# Altium PCB FIT_TDC_ADC.PcbDoc (part 9 of 10) (continued)
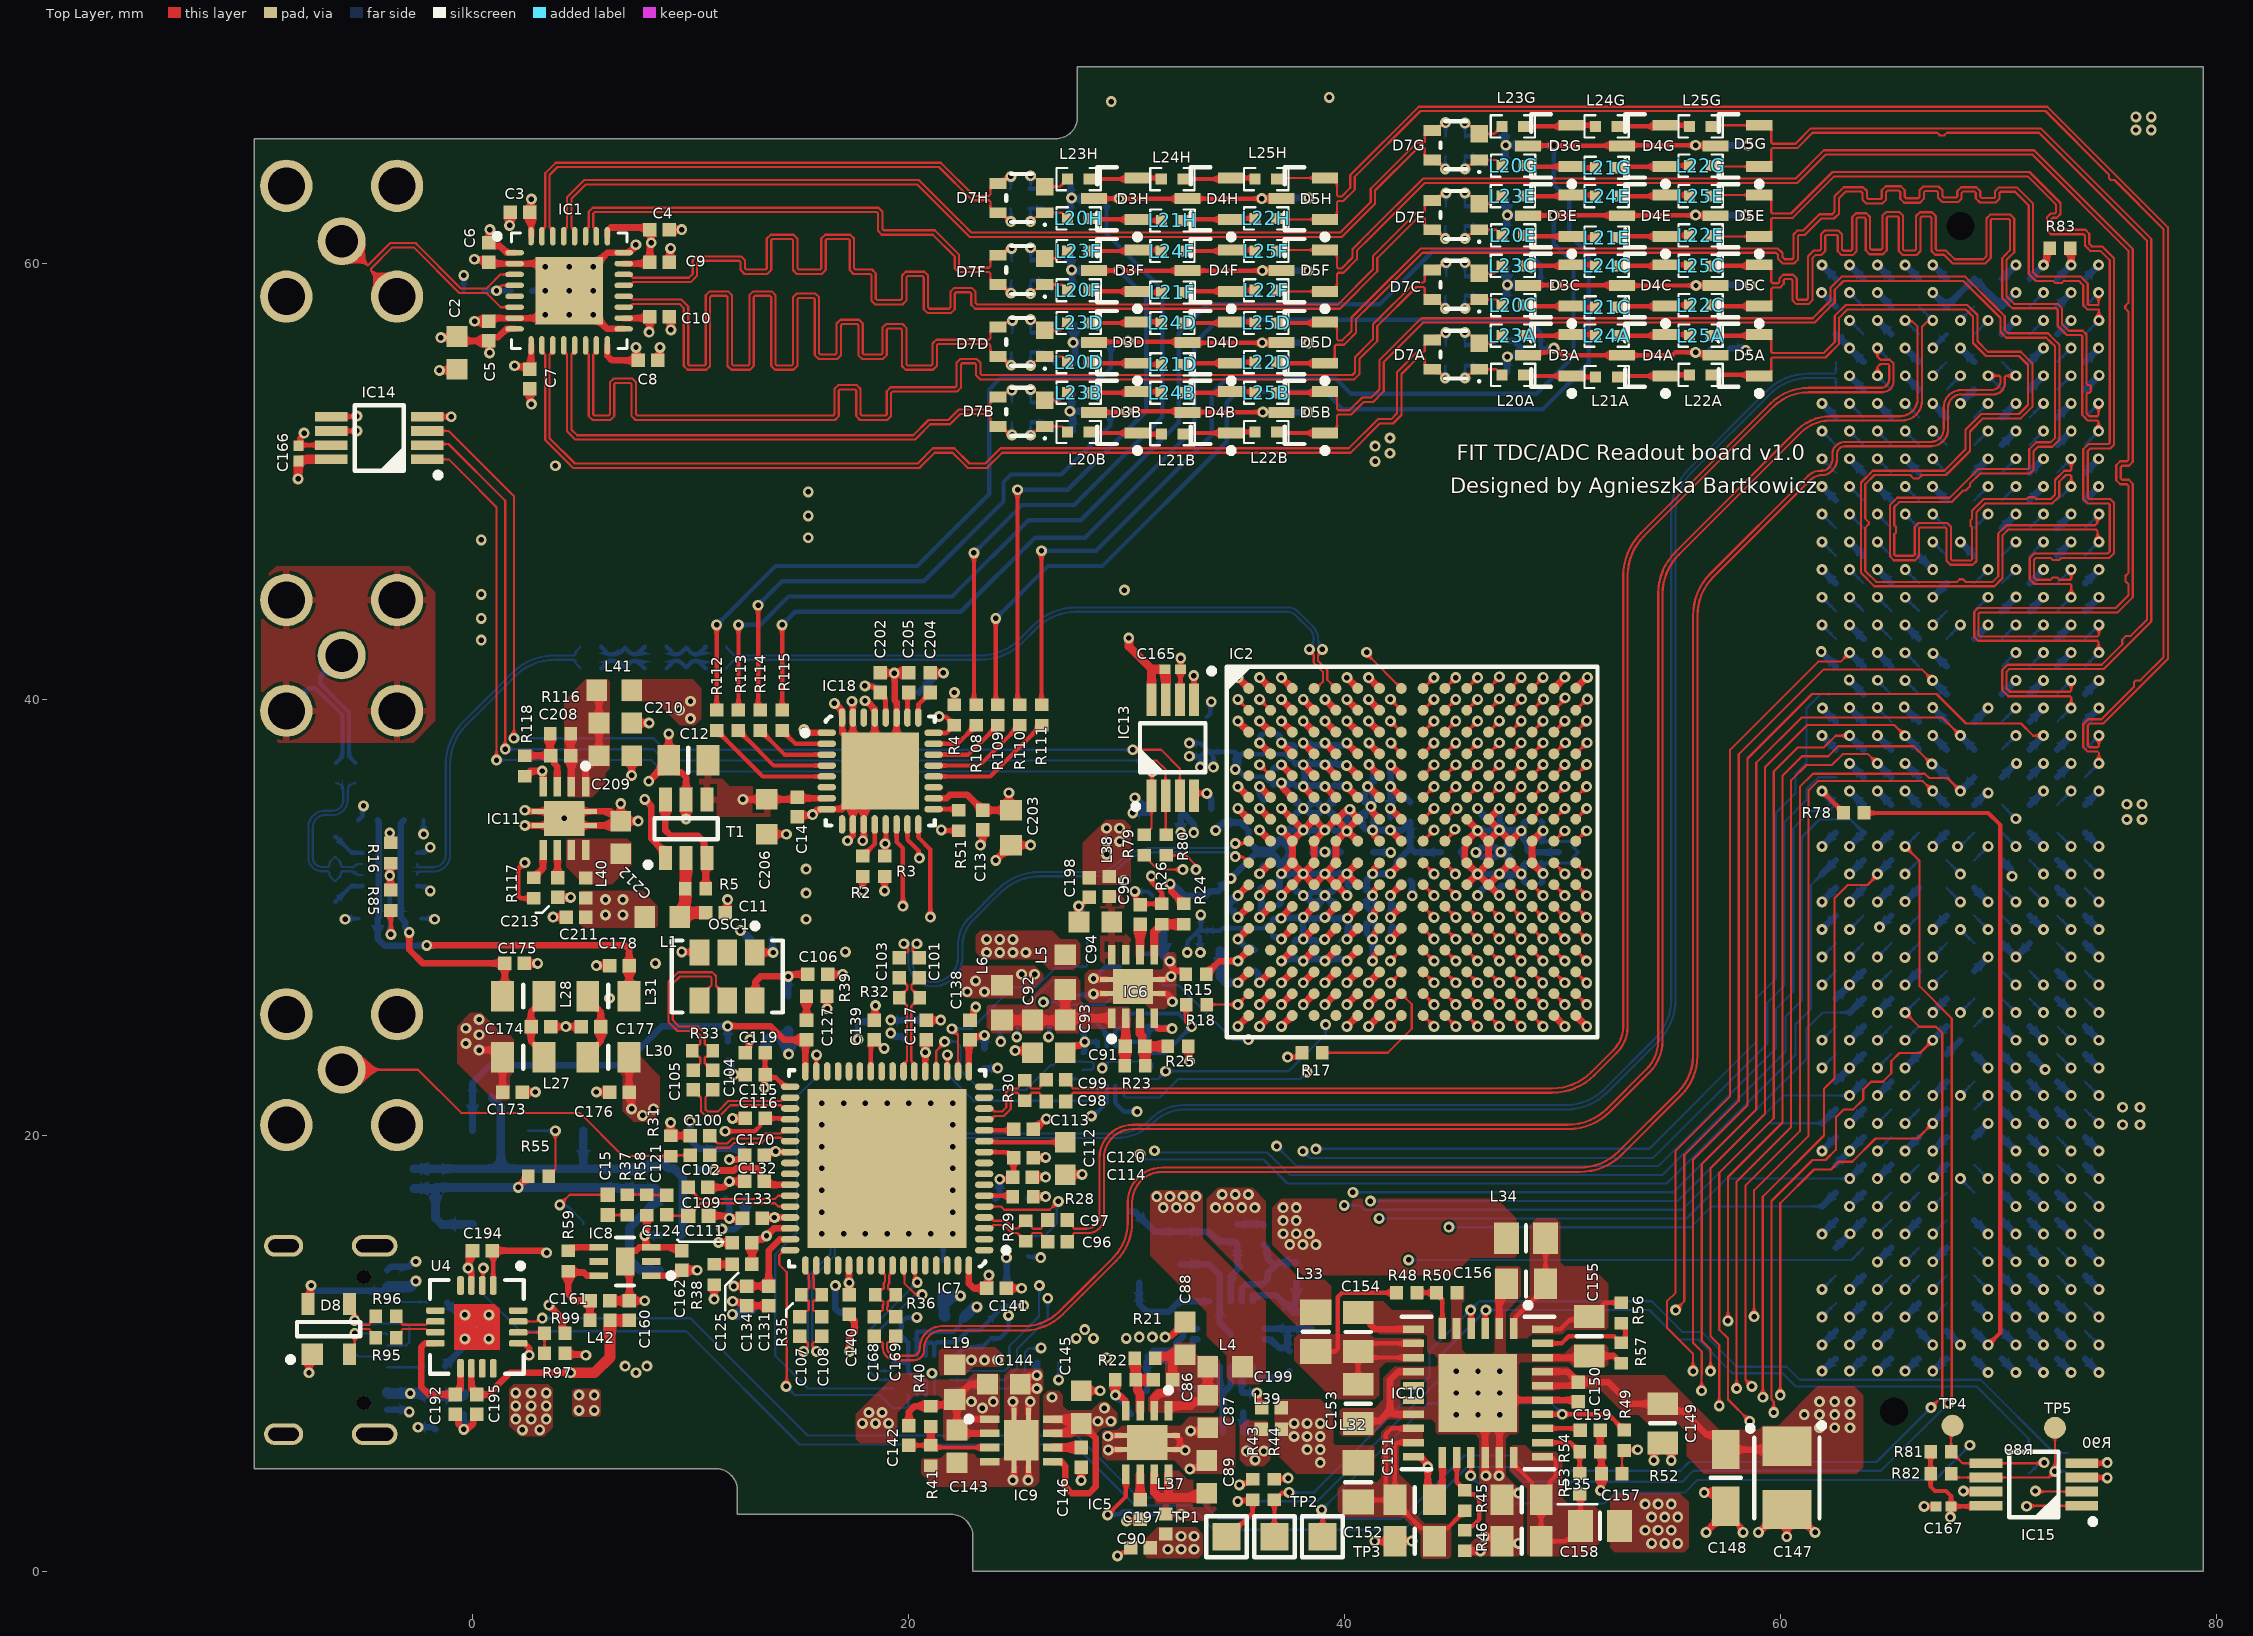
[diagram p0: Top Layer view]
## Nets (pads, with @x,y where several pads share a name; then routed paths per layer and width w, separated by ;. In a path a pad name is that pad's centre, name@x,y a point inside that pad or via, vN(x,y) a via of type N, cw(c..) or ccw(c..) an arc to the next point about the centre after c; other vN are vias at no path point) (continued)
  other v1: 23.585,28.374 24.185,28.374 24.785,28.374 25.385,28.374 23.585,28.974 24.185,28.974 24.785,28.974
VA_1V9: C45.2 C46.2 C47.2 C48.2 C49.2 C50.2 C51.2 C52.2 C53.2 C54.2 C55.2 C56.2 C57.2 C58.2 C59.2 C60.2 C61.2 C62.2 C63.2 C64.2 IC2.G3 IC2.G4 IC2.G5 IC2.G6 IC2.H3 IC2.H4 IC2.H5 IC2.H6 IC2.J3 IC2.J4 IC2.J5 IC2.J6 IC2.K3 IC2.K4 IC2.K5 IC2.K6 L4.2 R24.1 | length 45.8
  Top Layer w0.1: v1(38.101,31.985) v1@38.104,31.985 ; v1(39.099,31.985) v1@39.104,31.985
  Top Layer w0.3: v1(32.002,31.523) 32.04,31.485 32.04,31.189 32.46,30.769 32.46,30.749 32.6,30.609 R24.1@32.62,30.609 ; v1(37.104,30.985) IC2.K3@37.604,31.485 37.604,31.489 v1(38.101,31.985) ; v1(37.104,31.985) IC2.J3@37.604,32.485 ; v1(37.104,33.985) IC2.H3@37.604,33.485 ; v1(37.104,34.985) IC2.G3@37.604,34.485 v1(38.104,33.985) ; v1@38.104,31.985 IC2.J4@38.604,32.485 38.604,32.883 38.599,32.888 38.599,33.48 IC2.H4@38.604,33.485 39.099,33.98 v1(39.099,33.985) ; v1@39.104,31.985 IC2.J5@39.604,32.485 IC2.H5@39.604,33.485 39.624,33.485 40.104,33.965 v1@40.124,33.965 ; v1(40.104,30.985) IC2.K5@39.604,31.485 ; v1(40.104,33.944) 40.124,33.944 40.583,33.485 IC2.H6@40.604,33.485 ; v1@40.194,34.944 40.604,34.535 IC2.G6@40.604,34.485 40.104,33.985 IC2.G5@39.604,34.485 ; v1(40.243,34.944) 40.205,34.906 40.079,34.906 39.658,34.485 IC2.G5@39.604,34.485 ; IC2.K6@40.604,31.485 v1(40.104,31.985) ; IC2.J6@40.604,32.485 v1(40.104,31.985) ; IC2.J3@37.604,32.485 IC2.H3@37.604,33.485 ; IC2.J3@37.604,32.485 38.101,31.989 v1(38.101,31.985) ; IC2.H3@37.604,33.485 v1(38.104,33.985) ; v1(38.101,31.985) 38.601,31.485 IC2.K4@38.604,31.485 39.099,31.98 v1(39.099,31.985) 39.599,31.485 IC2.K5@39.604,31.485 ; v1(38.104,33.985) IC2.G4@38.604,34.485 39.099,33.99 v1(39.099,33.985) ; v1(39.099,33.985) 39.104,33.985 IC2.G5@39.604,34.485 ; IC2.K5@39.604,31.485 v1(40.104,31.985)
  Bottom Layer w0.3: v1(32.002,31.523) 32.053,31.523 32.278,31.299 32.36,31.299 C64.2@32.685,30.974 33.622,30.974 33.84,31.193 C61.2@34.067,31.193 34.203,31.193 v1(34.785,31.774) 35.885,32.874 36.744,32.874 36.92,32.699 36.92,32.444 36.995,32.369 C55.2@37.02,32.369 ; v1(32.485,33.874) 32.485,34.674 C63.2@32.585,34.774 33.085,34.274 v1(33.085,33.874) ; v1(34.085,33.974) 34.448,34.338 C62.2@34.521,34.338 35.221,34.338 35.604,33.955 35.604,33.455 35.965,33.094 36.673,33.094 36.92,33.341 36.92,33.494 36.995,33.569 C47.2@37.02,33.569 37.045,33.569 37.12,33.494 37.12,33.469 37.46,33.129 C60.2@37.62,32.969 37.46,32.809 37.12,32.469 37.12,32.444 37.045,32.369 C55.2@37.02,32.369 ; C58.2@36.92,31.369 C58.2@36.945,31.369 ; C45.2@36.97,30.569 36.991,30.569 37.066,30.644 37.066,30.947 v1(37.104,30.985) 37.104,31.039 37.02,31.123 37.02,31.294 C58.2@36.945,31.369 ; v1(37.104,33.985) 37.112,33.977 37.712,33.977 C52.2@37.72,33.969 ; v1(38.104,33.985) 38.112,33.977 38.612,33.977 C49.2@38.62,33.969 38.628,33.977 39.091,33.977 v1(39.099,33.985) ; v1(39.099,31.985) 39.091,31.977 38.628,31.977 C57.2@38.62,31.969 38.612,31.977 38.109,31.977 v1(38.101,31.985) 38.092,31.977 37.728,31.977 C59.2@37.72,31.969 37.712,31.977 37.112,31.977 v1(37.104,31.985) ; C54.2@39.52,31.969 39.528,31.977 40.096,31.977 v1(40.104,31.985) 40.104,31.931 40.143,31.892 40.143,31.444 40.218,31.369 C53.2@40.22,31.369 ; C46.2@39.52,33.969 39.532,33.957 40.091,33.957 v1(40.104,33.944) ; v1@40.096,33.977 40.104,33.985 40.112,33.993 40.112,34.561 C48.2@40.12,34.569 ; C58.2@36.945,31.369 37.02,31.444 37.02,31.847 37.104,31.931 v1(37.104,31.985) ; C55.2@37.02,32.369 37.066,32.324 37.066,32.024 v1(37.104,31.985)
  other v1: 31.685,16.674 32.285,16.674 32.885,16.674 31.385,17.174 31.985,17.174 32.585,17.174 33.185,17.174
VADJ: C194.2 J4.e39 J4.f40 J4.g39 J4.h40 R78.2 U4.1 | length 105.5
  Top Layer w0.2: C194.2@0.9,14.7 0.95,14.65 U4.1@0.95,13.1 ; R78.2@63.825,34.774 69.526,34.774 70.083,34.217 70.083,10.942 v1(69.52,10.379)
  Top Layer w0.3: C194.2@0.9,14.7 3.246,14.7 3.346,14.6 v1(3.4,14.6)
  SIGNAL2 w0.3: v1(3.4,14.6) 7,11 12.2,11 13.334,12.134 21.966,12.134 22.876,11.224 25.216,11.224 25.992,12 31.7,12 32.5,11.2 54.1,11.2 54.6,10.7 58.9,10.7 59.3,11.1 65.159,11.1 65.88,10.379 v1(66.98,10.379)
  Bottom Layer w0.3: v1(64.44,9.174) 64.472,9.174 65.042,9.744 J4.h40@65.075,9.744 ; J4.g39@66.345,11.014 v1(66.98,10.379) ; v1(66.98,9.174) 67.012,9.174 67.582,9.744 J4.f40@67.615,9.744 ; J4.e39@68.885,11.014 v1(69.52,10.379)
VBUS_SENSE: R97.2 R99.2 U4.14 | length 2.1
  Top Layer w0.1: U4.14@2.1,10.95 3.25,10.95 R99.2@3.3,10.9 R97.2@3.3,10
VCTRL_A_CH1: C188A.2 C189A.2 D3A.3 D4A.3 D5A.3 R115.2 | length 58.1
  Top Layer w0.2: R115.2@14.2,39.5 v1(14.2,43.4) ; D3A.3@48.42,55.769 48.551,55.901 49.32,55.901 49.519,56.1 v1(49.6,56.1) 49.681,56.1 50.012,55.769 55.031,55.769 55.161,55.9 v1(56.1,55.9) 56.157,55.843 56.947,55.843 D5A.3@57.02,55.769
  Bottom Layer w0.2: v1(14.2,43.4) 14.8,44 22.4,44 25.8,47.4 28.1,47.4 33.1,52.4 33.1,56.3 34.196,57.396 48.404,57.396 49,56.8 C188A.2@49,56.1 v1(49.6,56.1) ; v1(56.1,55.9) 56.129,55.871 56.313,55.871 56.332,55.89 56.59,55.89 C189A.2@56.8,56.1
VCTRL_A_CH2: C188B.2 C189B.2 D3B.3 D4B.3 D5B.3 R114.2 | length 34.7
  Top Layer w0.2: v1(13.1,44.3) 13.1,39.6 R114.2@13.2,39.5 ; D3B.3@28.5,53.15 29.95,53.15 v1(30,53.2) 32.75,53.2 D4B.3@32.8,53.15 ; D4B.3@32.811,53.161 v1(36.255,53.161)
  Bottom Layer w0.2: v1(13.1,44.3) 14.2,45.4 20.7,45.4 24.356,49.056 24.356,49.956 24.7,50.3 27,50.3 29.25,52.55 C188B.2@29.25,53.2 v1(30,53.2) ; v1(36.255,53.161) 36.847,53.161 C189B.2@36.858,53.15
VCTRL_A_CH3: C188C.2 C189C.2 D3C.3 D4C.3 D5C.3 R113.2 | length 61.4
  Top Layer w0.2: R113.2@12.2,39.5 v1(12.2,43.4) ; D3C.3@48.42,58.969 48.435,58.985 49.685,58.985 v1(49.7,59) 49.715,58.985 52.704,58.985 D4C.3@52.72,58.969 v1(56.12,58.969) D5C.3@57.02,58.969
  Bottom Layer w0.2: v1(12.2,43.4) 13.2,43.4 14.5,44.7 22,44.7 25.5,48.2 27.9,48.2 32.4,52.7 32.4,56.8 33.7,58.1 41.6,58.1 44.066,60.566 48.334,60.566 49,59.9 C188C.2@49,59 v1(49.7,59) ; v1(56.12,58.969) 56.769,58.969 C189C.2@56.8,59
VCTRL_A_CH4: C188D.2 C189D.2 D3D.3 D4D.3 D5D.3 R112.2 | length 41.1
  Top Layer w0.2: R112.2@11.2,39.5 v1(11.2,43.4) ; D3D.3@28.5,56.35 28.537,56.387 30.03,56.387 v3(30.067,56.424) 30.104,56.387 32.763,56.387 D4D.3@32.8,56.35 32.81,56.34 v1(36.224,56.34) 36.229,56.345 37.095,56.345 D5D.3@37.1,56.35
  SIGNAL5 w0.2: v1@36.143,56.34 v1(36.224,56.34)
  Bottom Layer w0.2: v1(11.2,43.4) 13.9,46.1 20.4,46.1 23.7,49.4 23.7,54.2 24.2,54.7 28.8,54.7 29.284,55.184 C188D.2@29.284,56.387 29.321,56.424 v3(30.067,56.424) ; v1(36.224,56.34) 36.848,56.34 C189D.2@36.858,56.35
VCTRL_A_CH5: C188E.2 C189E.2 D3E.3 D4E.3 D5E.3 R111.2 | length 53.7
  Top Layer w0.2: R111.2@26.1,39.74 v1(26.1,46.8) ; D3E.3@48.42,62.169 48.435,62.185 49.585,62.185 v1(49.6,62.2) 49.615,62.185 56.085,62.185 v1(56.1,62.2) 56.115,62.185 57.004,62.185 D5E.3@57.02,62.169
  Bottom Layer w0.2: v1(26.1,46.8) 28.6,46.8 33.9,52.1 33.9,54 34.6,54.7 39.6,54.7 40.3,54 48.8,54 50.5,55.7 50.5,60 49.6,60.9 v1(49.6,62.2) C188E.2@49,62.2 ; v1(56.1,62.2) C189E.2@56.8,62.2
VCTRL_A_CH6: C188F.2 C189F.2 D3F.3 D4F.3 D5F.3 R110.2 | length 34.1
  Top Layer w0.2: v1(25,49.6) 25,39.84 R110.2@25.1,39.74 ; D3F.3@28.5,59.65 29.66,59.65 v1(29.665,59.655) ; v1@29.67,59.65 D4F.3@32.8,59.65 v1(36.227,59.65) D5F.3@37.1,59.65
  Bottom Layer w0.2: v1(25,49.6) 27.3,49.6 30.9,53.2 30.9,58.42 v1@29.67,59.65 ; C188F.2@29.08,59.65 29.085,59.655 v1(29.665,59.655) ; v1(36.227,59.65) 36.846,59.65 C189F.2@36.858,59.639
VCTRL_A_CH7: C188G.2 C189G.2 D3G.3 D4G.3 D5G.3 R109.2 | length 58.4
  Top Layer w0.2: v1(24,43.7) 24,39.84 R109.2@24.1,39.74 ; D3G.3@48.42,65.369 48.435,65.385 49.585,65.385 v1(49.6,65.4) 49.615,65.385 52.704,65.385 52.72,65.4 v1(56.1,65.4) 56.115,65.385 57.004,65.385 D5G.3@57.02,65.369
  Bottom Layer w0.2: v1(24,43.7) 26.4,46.1 28.9,46.1 34.6,51.8 34.6,53.6 35.1,54.1 39.1,54.1 39.9,53.3 49.1,53.3 51.2,55.4 51.2,60.4 50.3,61.3 50.3,62.9 49.6,63.6 v1(49.6,65.4) C188G.2@49,65.4 ; v1(56.1,65.4) C189G.2@56.8,65.4
VCTRL_A_CH8: C188H.2 C189H.2 D3H.3 D4H.3 D5H.3 R108.2 | length 39.2
  Top Layer w0.2: v1(23,46.7) 23,39.84 R108.2@23.1,39.74 ; D3H.3@28.5,62.95 v1@29.66,62.95 ; v1@29.67,62.95 D4H.3@32.8,62.95 v1(36.2,62.95) D5H.3@37.1,62.95
  Bottom Layer w0.2: v1(23,46.7) 25.2,48.9 27.6,48.9 31.639,52.939 31.639,58.781 29.08,61.34 C188H.2@29.08,62.95 29.085,62.955 v1(29.665,62.955) ; v1(36.2,62.95) 36.85,62.95 C189H.2@36.88,62.981
VD_1V1: C78.2 C79.2 C80.2 C81.2 C82.2 C83.2 C84.2 C85.2 IC2.E8 IC2.F8 IC2.G8 IC2.K8 IC2.L8 IC2.M8 L6.2 | length 10.7
  Top Layer w0.3: v1(42.104,28.984) IC2.M8@42.604,29.485 ; v1(42.104,29.985) IC2.L8@42.604,30.485 ; v1(42.104,30.985) IC2.K8@42.604,31.485 ; v1(42.104,34.985) IC2.G8@42.604,34.485 ; v1(42.104,35.985) IC2.F8@42.604,35.485 ; v1(42.12,36.97) IC2.E8@42.604,36.485
  Bottom Layer w0.1: v1(42.104,29.985) 42.104,29.685 C81.2@42.22,29.569
  Bottom Layer w0.3: C78.2@41.32,32.969 v1(42.12,32.969) ; v1(42.104,28.984) 42.142,29.022 42.142,29.494 42.217,29.569 C81.2@42.22,29.569 ; v1(42.104,29.985) 42.142,30.024 42.142,30.494 C82.2@42.217,30.569 ; v1(42.104,30.985) 42.142,30.947 42.142,30.644 C82.2@42.217,30.569 ; C80.2@42.12,34.569 42.112,34.577 42.112,34.977 v1(42.104,34.985) 42.112,34.993 42.112,35.561 C83.2@42.12,35.569 ; v1(42.12,36.97) C84.2@42.12,36.369 42.112,36.361 42.112,35.993 v1(42.104,35.985) 42.112,35.977 42.112,35.577 C83.2@42.12,35.569 ; C82.2@42.22,30.569 C82.2@42.217,30.569 ; C79.2@43.02,35.269 42.72,35.569 C83.2@42.12,35.569
  other v1: 22.685,26.574 23.485,26.574 23.081,27.07 25.185,27.374 25.785,27.374
VIO_B_M2C: J4.j39 J4.k40 | length 1.8
  Bottom Layer w0.3: v1(61.9,9.174) 61.932,9.174 62.502,9.744 J4.k40@62.535,9.744 ; v1(63.17,10.379) J4.j39@63.805,11.014
VREF_B_M2C: J4.h1 J4.k1 | length 1.8
  Bottom Layer w0.3: v1(61.9,59.909) J4.k1@62.535,59.274 ; v1(64.44,59.909) J4.h1@65.075,59.274
pads on no net: IC1.5 IC2.D1 IC2.E1 IC2.M2 IC2.N2 IC2.T4 IC2.T5 IC7.1 IC7.2 IC7.7 IC7.8 IC7.9 IC7.15 IC7.16 IC7.24 IC7.25 IC7.27 IC7.28 IC7.29 IC7.30 IC7.40 IC7.41 IC7.51 IC7.52 IC7.54 IC7.55 IC7.60 IC7.61 IC7.62 IC7.63 IC8.2 IC8.5 IC10.11 IC10.12 IC18.6 IC18.9 IC18.19 IC18.30 J4.1 J4.2 J5. J5.A8 J5.B8 OSC1.2 OSC2.5 U4.4 U4.5 U4.11 U4.12 U4.16

## Polygon pours and split planes (outlines as drawn)
P2V5 on Top Layer "NONET_L-01_P-001" (solid, remove dead copper, pour order 220): -0.7,23.3 1,21.6 1.6,21.6 1.7,21.7 1.7,22.7 1.9,22.9 1.9,24.4 1.7,24.6 1.4,24.6 0.4,25.6 -0.1,25.6 -0.7,25
P5V0_AVP on Top Layer "NONET_L-01_P-001" (solid, remove dead copper, pour order 209): 6.9,39.9 8.4,39.9 9.5,38.8 10.2,38.8 10.5,39.1 10.5,40.5 10.1,40.9 6.9,40.9
NetC208_2 on Top Layer "NONET_L-01_P-001" (solid, remove dead copper, pour order 186): 6.3,36.8 6.1,36.6 6.1,36.1 5.5,35.5 4.4,35.5 4.351,35.549 4.351,36.949 4.2,37.1 4.2,39.9 5.2,40.9 6.2,40.9 6.3,40.8
P12V0_VCAP on Top Layer "NONET_L-01_P-001" (solid, remove dead copper, pour order 185): 10.3,36.5 10.4,36.4 10.4,34.8 10.6,34.6 13.7,34.6 14.1,35 14.1,35.8 13.9,36 11.8,36 11.3,36.5 11.3,37.8 10.3,37.8
P12V0 on Top Layer "NONET_L-01_P-001" (solid, remove dead copper, pour order 184): 5,31.2 4.9,31.1 4.9,29.7 5.1,29.5 8.4,29.5 8.5,29.6 8.5,30.5 7.8,31.2
NetC212_2 on Top Layer "NONET_L-01_P-001" (solid, remove dead copper, pour order 183): 6.4,31.5 7.3,32.4 7.3,33.4 7.1,33.6 4.4,33.6 4.3,33.5 4.3,32.3 5.1,31.5
NetC22_2 on Top Layer "NONET_L-01_P-001" (solid, remove dead copper, pour order 181): 8.2,20.6 7.4,20.6 6.9,21.1 6.9,22.7 6.7,22.9 6.7,23.7 7.6,23.7 8.6,22.7 8.6,21
AIN_N on Top Layer "AIN_N_L01_P172" (solid, remove dead copper, pour order 172): -1.7,44.9 -2.9,46.1 -9,46.1 -9.7,45.4 -9.7,38.8 -8.9,38 -2.7,38 -1.7,39 -1.7,44.6
GND on Top Layer "NONET_L-01_P-001" (solid, remove dead copper, pour order 19): 31.585,27.574 31.685,27.674 31.685,28.174 31.885,28.374 32.185,28.374 32.285,28.274 32.285,26.274 31.785,25.774 31.085,25.774 30.785,26.074 28.285,26.074 28.085,26.274 28.085,27.374 28.285,27.574
GND on Top Layer "NONET_L-01_P-001" (solid, remove dead copper, pour order 16): 80 vertices, not listed, extent 39.785,0.674 52.085,13.974
GND on Top Layer "NONET_L-01_P-001" (solid, remove dead copper, pour order 15): 19 vertices, not listed, extent 20.585,3.874 26.185,9.274
GND on Top Layer "NONET_L-01_P-001" (solid, remove dead copper, pour order 14): 28.985,6.474 28.885,6.374 28.885,5.274 29.085,5.074 32.185,5.074 32.785,4.474 34.685,4.474 34.985,4.774 34.985,6.774 34.685,7.074 32.885,7.074 32.485,6.674 29.785,6.674 29.585,6.474
NetC145_2 on Top Layer "NONET_L-01_P-001" (solid, remove dead copper, pour order 148): 36.5,6.8 36.4,6.9 35.43,6.9 35.2,6.67 35.2,5.1 35.5,4.8 36.3,4.8 36.6,5.1 36.6,6.1 36.5,6.2
NetC89_2 on Top Layer "NONET_L-01_P-001" (solid, remove dead copper, pour order 147): 31.5,2.3 31.3,2.5 31.3,3.3 31.1,3.5 31.1,4.9 32.1,4.9 32.8,4.2 34.059,4.2 34.285,3.974 34.285,2.985 33.6,2.3 32.7,2.3
P2V5 on Top Layer "NONET_L-01_P-001" (solid, remove dead copper, pour order 146): 33.3,0.6 30.963,0.6 30.788,0.775 30.788,1.388 31.4,2 33.2,2 33.5,1.7 33.5,0.8
NetC94_2 on Top Layer "NONET_L-01_P-001" (solid, pour order 143): 28.889,31.244 28.8,31.155 28.8,28 29.026,27.774 30.185,27.774 30.185,29.015 29.9,29.3 29.9,30.851 29.507,31.244
P1V8A on Top Layer "NONET_L-01_P-001" (solid, remove dead copper, pour order 142): 29.335,34.474 29.074,34.474 28,33.4 28,31.482 30.082,31.482 30.2,31.6 30.2,34.159 29.885,34.474
VA_1V9 on Top Layer "NONET_L-01_P-001" (solid, remove dead copper, pour order 106): 34.885,8.574 34.585,8.874 34.585,9.874 33.685,10.774 33.685,11.874 31.085,14.474 31.085,17.274 31.285,17.474 33.285,17.474 33.485,17.274 33.485,15.274 36.385,12.374 36.385,8.874 36.085,8.574
P2V5 on Top Layer "P2V5_L01_P063" (solid, remove dead copper, pour order 63): 3.685,6.574 3.285,6.174 2.185,6.174 1.685,6.674 1.685,8.374 1.885,8.574 3.485,8.574 3.685,8.374
P12V0 on Top Layer "P12V0_L01_P062" (solid, remove dead copper, pour order 62): 4.585,8.274 4.685,8.374 5.785,8.374 5.885,8.274 5.885,7.174 5.785,7.074 4.685,7.074 4.585,7.174
VA_1V1 on Top Layer "NONET_L-01_P-001" (solid, remove dead copper, pour order 24): 27.885,27.874 27.585,27.574 26.485,27.574 25.985,28.074 23.385,28.074 23.085,28.374 23.085,29.174 23.285,29.374 26.585,29.374 26.985,28.974 27.685,28.974 27.885,28.774
VD_1V1 on Top Layer "NONET_L-01_P-001" (solid, remove dead copper, pour order 23): 23.585,26.274 22.685,26.274 22.385,26.574 22.385,27.674 22.485,27.774 25.785,27.774 26.185,27.374 26.185,27.174 25.285,26.274
NetC91_2 on Top Layer "NONET_L-01_P-001" (solid, remove dead copper, pour order 18): 17 vertices, not listed, extent 23.585,24.674 30.185,27.274
P12V0 on Top Layer "NONET_L-01_P-001" (solid, remove dead copper, pour order 13): 27 vertices, not listed, extent 48.585,4.474 63.785,9.374
P2V5 on Top Layer "NONET_L-01_P-001" (solid, remove dead copper, pour order 12): 39.185,11.274 37.785,11.274 34.285,14.774 33.685,15.374 33.685,17.074 34.185,17.574 35.785,17.574 36.385,16.974 36.385,14.974 37.985,13.374 39.085,13.374 39.385,13.074 39.385,11.474
P1V8A on Top Layer "NONET_L-01_P-001" (solid, remove dead copper, pour order 11): 47.885,14.474 47.785,14.374 45.785,14.374 44.985,13.574 38.085,13.574 36.685,14.974 36.685,16.674 37.085,17.074 46.985,17.074 47.885,16.174
NetC155_2 on Top Layer "NONET_L-01_P-001" (solid, remove dead copper, pour order 10): 18 vertices, not listed, extent 47.585,10.674 52.085,16.174
P1V8 on Top Layer "NONET_L-01_P-001" (solid, remove dead copper, pour order 9): 52.185,1.074 52.385,0.874 55.585,0.874 55.785,1.074 55.785,3.174 55.385,3.574 52.385,3.574 52.185,3.374
NetC157_2 on Top Layer "NONET_L-01_P-001" (solid, remove dead copper, pour order 8): 17 vertices, not listed, extent 47.585,0.674 51.685,5.774
NetC153_2 on Top Layer "NONET_L-01_P-001" (solid, remove dead copper, pour order 7): 41.385,7.874 41.585,8.074 41.585,9.274 41.885,9.574 43.585,9.574 43.585,10.574 43.485,10.674 41.385,10.674 41.185,10.874 37.885,10.874 37.685,10.674 37.685,9.674 39.485,7.874
P5V0 on Top Layer "NONET_L-01_P-001" (solid, remove dead copper, pour order 6): 41.385,5.674 41.385,4.574 41.285,4.474 37.785,4.474 36.8,5.459 36.8,7.8 36.874,7.874 38.885,7.874 39.485,7.274 39.485,5.874 39.585,5.774 41.285,5.774
NetC151_2 on Top Layer "NONET_L-01_P-001" (solid, remove dead copper, pour order 5): 25 vertices, not listed, extent 39.685,0.574 44.885,6.674
PLL_VCC_BUF on Top Layer "NONET_L-01_P-001" (solid, remove dead copper, pour order 4): 21.385,8.974 21.385,10.074 21.585,10.274 23.985,10.274 24.385,9.874 24.385,9.574 24.185,9.374 22.985,9.374 22.585,8.974
PLL_VCC_PLANE on Top Layer "NONET_L-01_P-001" (solid, remove dead copper, pour order 3): 24 vertices, not listed, extent 17.585,5.874 24.185,9.074
NetC145_2 on Top Layer "NONET_L-01_P-001" (solid, pour order 2): 28.485,6.174 28.885,6.574 29.385,6.574 29.585,6.774 29.585,7.274 29.085,7.774 28.785,7.774 28.385,7.374 27.285,7.374 27.085,7.574 27.085,8.074 26.885,8.274 26.385,8.274 26.185,8.074 26.185,6.174
NetC86_2 on Top Layer "NONET_L-01_P-001" (solid, remove dead copper, pour order 0): 17 vertices, not listed, extent 30.985,7.274 34.285,10.474
GND on POWER3 "NONET_L-01_P-001" (solid, remove dead copper, pour order 217): 17 vertices, not listed, extent -8.6,5.6 22.2,45.9
P3V3AUX on POWER3 "NONET_L-01_P-001" (solid, remove dead copper, pour order 208): 36.9,41.9 37.3,42.3 37.3,51.2 34.8,53.7 2.5,53.7 1.5,54.7 -7.8,54.7 -8.7,53.8 -8.7,47.5 -7.7,46.5 17,46.5 21.6,41.9 34.5,41.9
P1V8 on POWER3 "POWER3-P1V8" (solid, remove dead copper, pour order 202): 54 vertices, not listed, extent 24.903,0.6 78.5,67.9
NetC145_2 on POWER3 "NONET_L-01_P-001" (solid, remove dead copper, pour order 198): 36.4,4.9 35,4.9 33.4,3.3 26.7,3.3 26.1,3.9 26.1,8.4 26.9,9.2 36.2,9.2 36.7,8.7 36.7,5.2
P1V8A on POWER3 "NONET_L-01_P-001" (solid, remove dead copper, pour order 197): 36.8,16.8 36.8,15.1 37.4,14.5 38.8,14.5 39.1,14.8 39.1,15.2 38.1,16.2 38.1,16.8 37.9,17 37,17
PLL_VCC_PLANE on POWER3 "POWER3-PLL_VCC_PLANE" (solid, remove dead copper, pour order 196): 15.626,6.474 23.974,6.474 24.908,7.408 24.908,12.33 27.685,15.107 27.685,24.714 27.125,25.274 13.385,25.274 10.285,22.174 10.285,11.815
VD_1V1 on POWER3 "POWER3-VD_1V1" (solid, remove dead copper, pour order 192): 21 vertices, not listed, extent 22.285,24 42.885,37.474
GND on POWER3 "GND_L04_P138" (solid, remove dead copper, pour order 138): 39.5,54.6 39.9,55 39.9,67.6 39.5,68 29.1,68 28.5,67.4 28.5,65.6 27.8,64.9 1.5,64.9 0.9,64.3 0.9,57.2 3.5,54.6
VA_1V9 on POWER3 "VA_1V9_L04_P130" (solid, remove dead copper, pour order 130): 33.385,17.474 31.285,17.474 31.085,17.274 31.085,16.874 31.585,16.374 32.985,16.374 33.485,16.874 33.485,17.374 33.435,17.424
VA_1V1 on POWER3 "VA_1V1_L04_P125" (solid, remove dead copper, pour order 125): 24 vertices, not listed, extent 22.9,28 40.47,41.3
VA_1V9 on POWER3 "NONET_L-01_P-001" (solid, remove dead copper, pour order 33): 31.785,34.874 32.385,35.474 40.285,35.474 40.485,35.274 40.485,30.674 40.38,30.569 32.29,30.569 31.785,31.074
P5V0 on POWER3 "P5V0_L04_P119" (solid, remove dead copper, pour order 119): 39.185,6.974 38.885,7.274 37.485,7.274 37.085,6.874 37.085,5.874 38.285,4.674 39.085,4.674 39.185,4.774 39.185,4.874
P12V0 on POWER3 "NONET_L-01_P-001" (solid, remove dead copper, pour order 110): 61.485,8.474 60.485,7.474 60.485,4.774 60.785,4.474 70.985,4.474 72.885,6.374 72.885,15.974 72.685,16.174 70.485,16.174 70.185,15.874 70.185,9.374 69.285,8.474 66.085,8.474
P2V5 on POWER3 "NONET_L-01_P-001" (solid, remove dead copper, pour order 83): 31.285,2.074 31.085,1.874 31.085,1.074 31.285,0.874 33.485,0.874 33.685,1.074 33.685,1.874 33.485,2.074
P3V3AUX on POWER3 "POWER3-3P3VAUX" (solid, remove dead copper, pour order 76): 27 vertices, not listed, extent 34.7,2.174 76.2,19.769
P2V5 on POWER3 "NONET_L-01_P-001" (solid, remove dead copper, pour order 71): 33.735,17.024 33.735,16.674 34.035,16.374 36.035,16.374 36.235,16.574 36.235,17.074 35.735,17.574 34.285,17.574
VREF_B_M2C on POWER3 "NONET_L-01_P-001" (solid, remove dead copper, pour order 37): 64.885,60.074 64.685,60.274 61.585,60.274 61.385,60.074 61.385,59.374 61.585,59.174 64.685,59.174 64.885,59.374
P2V5 on Bottom Layer "NONET_L-01_P-001" (solid, remove dead copper, pour order 221): 1.8,8.5 1.6,8.3 1.6,6.6 2.2,6 3.1,6 3.7,6.6 3.7,8.3 3.5,8.5
P12V0 on Bottom Layer "NONET_L-01_P-001" (solid, remove dead copper, pour order 219): 4.6,8.2 4.6,7.3 4.8,7.1 5.7,7.1 5.9,7.3 5.9,8.2 5.7,8.4 4.8,8.4
NetC22_2 on Bottom Layer "NONET_L-01_P-001" (solid, pour order 182): 7.2,21.5 7,21.3 7,21.1 7.5,20.6 8.1,20.6 8.6,21.1 8.6,21.3 8.4,21.5
P2V5 on Bottom Layer "NONET_L-01_P-001" (solid, remove dead copper, pour order 173): 0.6,23.85 0.4,23.65 -0.2,23.65 -0.6,24.05 -0.6,25.15 -0.1,25.65 0.4,25.65 0.6,25.45
DIN_N on Bottom Layer "DIN_N_L08_P171" (solid, remove dead copper, pour order 171): -1.7,63.9 -2.9,65.1 -9,65.1 -9.7,64.4 -9.7,57.8 -8.9,57 -2.7,57 -1.7,58 -1.7,63.6
GND on Bottom Layer "NONET_L-01_P-001" (solid, pour order 40): 36 vertices, not listed, extent 29.485,7.874 36.985,14.574
NetC24_2 on Bottom Layer "NETC24_2_L08_P161" (solid, remove dead copper, pour order 161): 17 vertices, not listed, extent 31.9,6.8 33.925,9.8
P5V0 on Bottom Layer "NONET_L-01_P-001" (solid, remove dead copper, pour order 149): 22 vertices, not listed, extent 30.8,3.6 39.2,7.6
VA_1V9 on Bottom Layer "VA_1V9_L08_P120" (solid, remove dead copper, pour order 120): 31.085,17.274 31.085,16.874 31.585,16.374 32.985,16.374 33.485,16.874 33.485,17.374 33.385,17.474 31.285,17.474
PLL_VCC_PLANE on Bottom Layer "NONET_L-01_P-001" (solid, remove dead copper, pour order 89): 18.085,7.574 17.585,7.074 17.585,6.674 17.785,6.474 19.185,6.474 19.385,6.674 19.385,7.074 18.885,7.574
PLL_VCC_BUF on Bottom Layer "NONET_L-01_P-001" (solid, remove dead copper, pour order 88): 22.685,9.974 22.585,9.874 22.585,9.474 22.685,9.374 24.285,9.374 24.385,9.474 24.385,9.874 24.285,9.974 23.585,9.974
VA_1V1 on Bottom Layer "NONET_L-01_P-001" (solid, remove dead copper, pour order 66): 23.385,28.074 23.185,28.274 23.185,29.074 23.385,29.274 24.985,29.274 25.685,28.574 25.685,28.174 25.585,28.074
P2V5 on Bottom Layer "NONET_L-01_P-001" (solid, remove dead copper, pour order 65): 33.735,17.124 33.735,16.624 33.985,16.374 35.985,16.374 36.235,16.624 36.235,17.124 35.735,17.624 34.235,17.624
P2V5 on Bottom Layer "NONET_L-01_P-001" (solid, remove dead copper, pour order 64): 31.285,2.074 31.085,1.874 31.085,1.074 31.285,0.874 33.485,0.874 33.585,0.974 33.585,1.874 33.385,2.074
P1V8A on Bottom Layer "P1V8A_L08_P048" (solid, remove dead copper, pour order 48): 36.885,16.774 36.885,15.174 37.385,14.674 38.785,14.674 38.985,14.874 38.985,15.274 38.085,16.174 38.085,16.774 37.885,16.974 37.085,16.974
NetC22_2 on Bottom Layer "Bottom Layer-NetC22_2" (solid, pour order 43): 24 vertices, not listed, extent 27.285,10.374 35.685,17.074
NetD6_1 on Bottom Layer "NONET_L-01_P-001" (solid, pour order 39): 33.085,11.974 32.485,11.374 29.585,11.374 29.485,11.474 29.485,13.674 29.685,13.874 31.085,13.874 31.385,13.574 31.385,13.174 31.785,12.774 33.885,12.774 33.885,11.974
P12V0 on Bottom Layer "NONET_L-01_P-001" (solid, remove dead copper, pour order 28): 61.485,8.074 60.785,7.374 60.785,6.874 61.385,6.274 63.485,6.274 63.585,6.374 63.585,7.874 63.385,8.074
GND on SIGNAL5 "NONET_L-01_P-001" (solid, remove dead copper, pour order 218): 22 vertices, not listed, extent -0.2,10.6 20.8,53.4
PLL_VCC_BUF on SIGNAL5 "SIGNAL5-PLL_VCC_BUF" (solid, remove dead copper, pour order 175): 24.652,8.542 24.652,23.866 21.536,26.982 9.282,26.982 8.903,26.603 8.903,10.713 9.215,10.4 13.015,10.4 15.753,7.662 23.773,7.662
P5V0 on SIGNAL5 "NONET_L-01_P-001" (solid, remove dead copper, pour order 214): 39.2,4.2 39.2,6.9 38.6,7.5 15.45,7.5 12.85,10.1 4.7,10.1 4.1,9.5 4.1,6.6 4.6,6.1 12.5,6.1 13.5,5.1 13.5,4 13.9,3.6 38.6,3.6
P1V8 on SIGNAL5 "NONET_L-01_P-001" (solid, remove dead copper, pour order 203): 47 vertices, not listed, extent 18.8,1 77.9,67.5
P1V8A on SIGNAL5 "SIGNAL5-P1V8A" (solid, remove dead copper, pour order 188): 21 vertices, not listed, extent 27.5,14.474 39.085,34.6
P2V5 on SIGNAL5 "NONET_L-01_P-001" (solid, remove dead copper, pour order 153): 22 vertices, not listed, extent 31.3,0.7 41.9,17.6
P2V5 on SIGNAL5 "SIGNAL5-P2V5" (solid, remove dead copper, pour order 152): 18 vertices, not listed, extent -8.5,6.074 19.785,64.274
P12V0 on SIGNAL5 "NONET_L-01_P-001" (solid, remove dead copper, pour order 30): 61.485,8.374 60.785,7.674 60.785,7.074 61.385,6.474 63.385,6.474 63.585,6.674 63.585,8.074 63.285,8.374
P1V8 on SIGNAL2 "SIGNAL2-P1V8" (solid, remove dead copper, pour order 213): 39 vertices, not listed, extent -1.6,0.9 78.4,67.7
P5V0 on SIGNAL2 "NONET_L-01_P-001" (solid, pour order 199): 39.3,4.9 39.1,4.7 38.6,4.7 37.4,5.9 37.4,7 37.6,7.2 39,7.2 39.3,6.9
VA_1V1 on SIGNAL2 "SIGNAL2-VA_1V1" (solid, remove dead copper, pour order 190): 28 vertices, not listed, extent 23.085,24.574 40.585,38.474
P12V0 on SIGNAL2 "SIGNAL2-P12V0" (solid, remove dead copper, pour order 169): 37 vertices, not listed, extent 4.435,0.874 63.535,8.9
NetC22_2 on SIGNAL2 "SIGNAL2-NetC22_2" (solid, remove dead copper, pour order 165): 21 vertices, not listed, extent 6.285,8.774 28.985,11.574
VIO_B_M2C on SIGNAL2 "NONET_L-01_P-001" (solid, remove dead copper, pour order 26): 63.185,9.774 63.485,10.074 63.485,10.674 63.385,10.774 62.885,10.774 61.485,9.374 61.485,8.974 61.685,8.774 62.185,8.774 63.085,9.674
VADJ on SIGNAL2 "NONET_L-01_P-001" (solid, remove dead copper, pour order 25): 63.885,9.174 63.885,8.874 64.185,8.574 68.185,8.574 69.8,10.189 69.8,10.659 69.585,10.874 65.585,10.874 65.485,10.774 65.585,10.874 65.485,10.774
PLL_VCCP2 on SIGNAL2 "NONET_L-01_P-001" (solid, remove dead copper, pour order 94): 19.585,25.874 19.785,25.674 19.785,22.974 19.585,22.774 11.885,22.774 10.885,21.774 10.885,18.274 12.985,16.174 12.985,12.885 12,11.9 8.4,11.9 7.685,12.615 7.685,23.374 10.185,25.874
PLL_VCC_PLANE on SIGNAL2 "NONET_L-01_P-001" (solid, remove dead copper, pour order 93): 16.485,8.474 16.185,8.174 16.185,7.674 17.385,6.474 23.585,6.474 24.185,7.074 24.185,8.274 23.985,8.474
PLL_VCCP1 on SIGNAL2 "NONET_L-01_P-001" (solid, remove dead copper, pour order 90): 11.085,21.374 11.085,18.574 16.53,13.129 21.44,13.129 25.585,17.274 25.585,20.474 23.385,22.674 12.385,22.674
P2V5 on SIGNAL2 "NONET_L-01_P-001" (solid, remove dead copper, pour order 85): 33.835,16.305 33.685,16.455 33.685,16.974 34.415,17.705 35.535,17.705 36.335,16.905 36.335,16.505 36.135,16.305
P1V8A on SIGNAL2 "NONET_L-01_P-001" (solid, remove dead copper, pour order 84): 38.985,14.574 37.385,14.574 36.885,15.074 36.885,16.874 37.085,17.074 38.085,17.074 39.185,15.974 39.185,14.774
P2V5 on SIGNAL2 "P2V5_L03_P055" (solid, remove dead copper, pour order 55): 25 vertices, not listed, extent 1.585,0.7 33.785,8.474
P2V5 on POWER4 "POWER4-P2V5" (solid, remove dead copper, pour order 216): 39 vertices, not listed, extent -8.54,0.7 35.785,64.457
P5V0_AVP on POWER4 "POWER4-P5V0_AVP" (solid, remove dead copper, pour order 211): 25.1,31 25.4,31.3 25.4,37.9 21.3,42 2.9,42 2.3,41.4 2.3,32.086 7.214,32.086 8.3,31
VA_1V1 on POWER4 "NONET_L-01_P-001" (solid, remove dead copper, pour order 207): 23.5,29.4 23.2,29.1 23.2,28.3 23.5,28 25.5,28 25.7,28.2 25.7,29.1 25.4,29.4
P3V3AUX on POWER4 "POWER4-P3V3AUX" (solid, remove dead copper, pour order 205): 19 vertices, not listed, extent 21.5,3 38.5,52.174
NetC22_2 on POWER4 "NETC22_2_L05_P052" (solid, remove dead copper, pour order 52): 9.4,9.4 8.774,8.774 7.075,8.774 6.685,9.165 6.685,21.185 7.274,21.774 8.926,21.774 9.4,21.3
P12V0 on POWER4 "NONET_L-01_P-001" (solid, remove dead copper, pour order 180): 17 vertices, not listed, extent 3.6,7 7.4,31.6
PLL_VCC_CLKOUT_PLANE on POWER4 "NONET_L-01_P-001" (solid, remove dead copper, pour order 35): 25.201,9.801 24.5,9.1 10.2,9.1 9.7,9.6 9.7,25.7 11,27 24.2,27 25.201,25.999
P5V0 on POWER4 "P5V0_L05_P118" (solid, remove dead copper, pour order 118): 39.185,4.974 38.985,4.774 38.485,4.774 37.385,5.874 37.385,6.974 37.485,7.074 39.085,7.074 39.185,6.974